# Altium PCB 20bit_40MS_ADC_DIOT_iso.PcbDoc (part 3 of 3)
Units mm, origin at the board's own origin, x right, y up, seen from the top; angles counter-clockwise.
Board outline 222.37 x 100 mm, 2 copper layers (Top Layer, Bottom Layer); 563 components, 368 nets, 2039 pads, 82 vias.
Unrouted connection lines stored in the file: 1435.
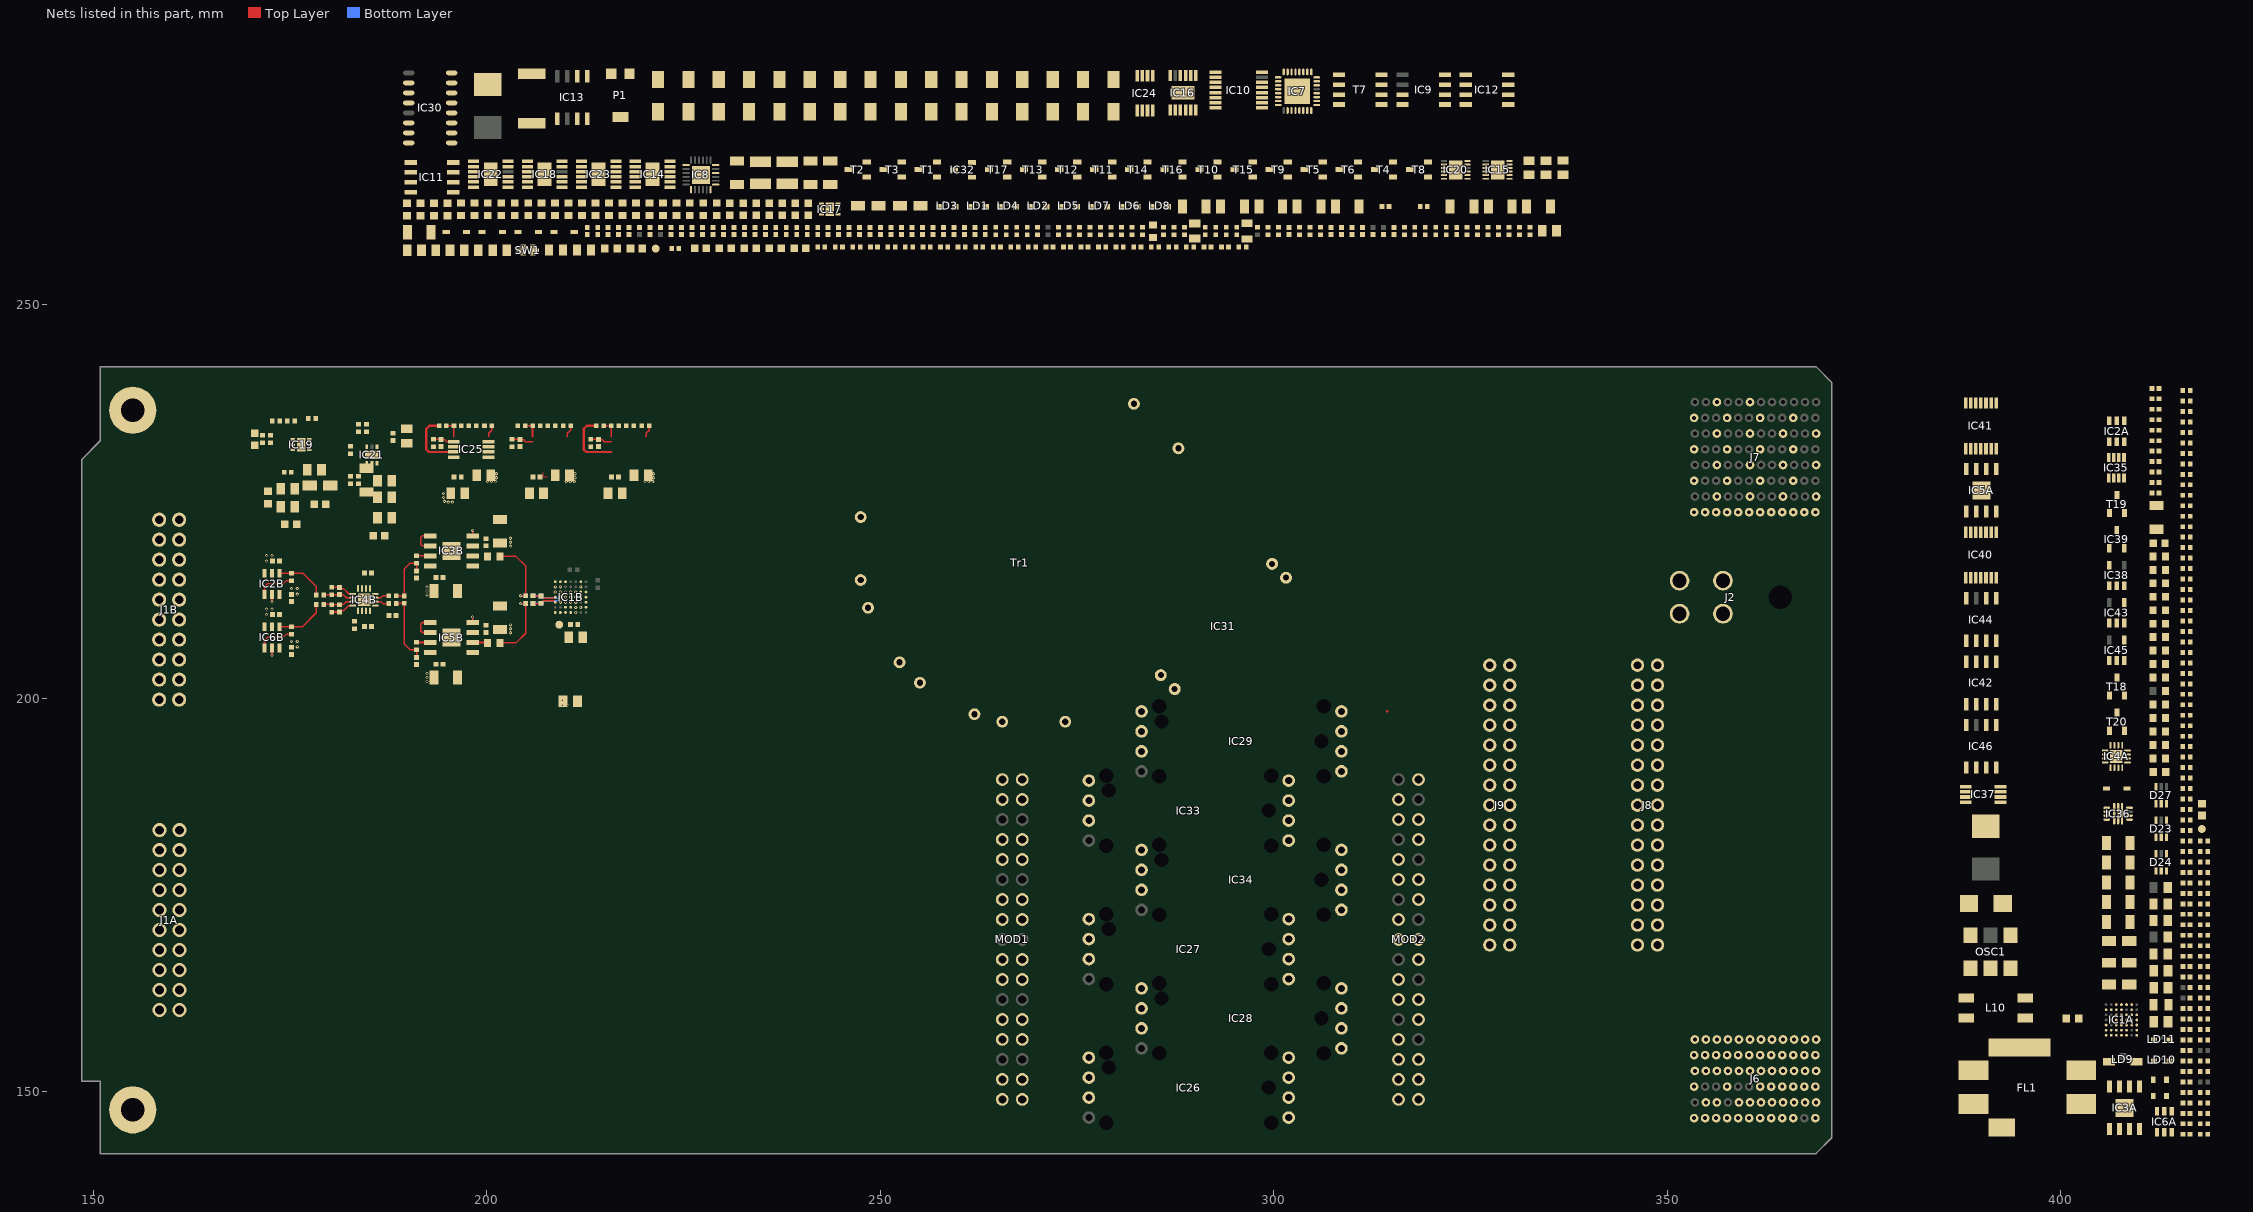
[diagram p3: the nets of this part, all layers, seen from the top]

## Via types
v1: diameter 0.4, hole 0.2, Top Layer to Bottom Layer, tented both sides, 82 vias

## Nets (pads, with @x,y where several pads share a name; then routed paths per layer and width w, separated by ;. In a path a pad name is that pad's centre, name@x,y a point inside that pad or via, vN(x,y) a via of type N, cw(c..) or ccw(c..) an arc to the next point about the centre after c; other vN are vias at no path point) (continued)
ADC_AUXINA_N: C4A.1 IC1A.E2 R4A.2
ADC_AUXINA_P: C4A.2 IC1A.D2 R1A.2
ADC_AUXINB_N: C4B.1 IC1B.E2 R4B.2 | length 3.7
  Bottom Layer w0.2: R4B.2@205.87,212 205.92,212.05 C4B.1@206.9,212.05 207.187,212.338 209.133,212.338 209.296,212.175 v1(209.35,212.175)
ADC_AUXINB_P: C4B.2 IC1B.D2 R1B.2 | length 3.7
  Bottom Layer w0.2: R1B.2@205.87,213 206.85,213 C4B.2@206.9,212.95 207.187,212.663 209.133,212.663 209.296,212.825 v1(209.35,212.825)
ADC_CSnA: IC1A.G1 IC10.10
ADC_CSnB: IC1B.G1 IC10.11
ADC_DAA_N: IC1A.D7 MOD1.15
ADC_DAA_P: IC1A.C7 MOD1.14
ADC_DAB_N: IC1B.D7 MOD1.3
ADC_DAB_P: IC1B.C7 MOD1.2
ADC_DBA_N: IC1A.D6 MOD1.21
ADC_DBA_P: IC1A.C6 MOD1.20
ADC_DBB_N: IC1B.D6 MOD1.9
ADC_DBB_P: IC1B.C6 MOD1.8
ADC_INA_N: C3A.1 IC1A.E1 R3A.2
ADC_INA_P: C3A.2 IC1A.D1 R2A.2
ADC_INB_N: C3B.1 IC1B.E1 R3B.2 | length 3
  Top Layer w0.2: R3B.2@205.87,212 206.85,212 C3B.1@206.9,212.05 207.187,212.338 208.508,212.338 208.67,212.175 IC1B.E1@208.7,212.175
ADC_INB_P: C3B.2 IC1B.D1 R2B.2 | length 3
  Top Layer w0.2: R2B.2@205.87,213 205.92,212.95 C3B.2@206.9,212.95 207.187,212.663 208.508,212.663 208.67,212.825 IC1B.D1@208.7,212.825
ADC_SCLKA: IC1A.E7 IC1B.E7 IC7.1 IC8.19 IC33.8 IC35.7 J1A.4 J1B.4
ADC_SDIA: IC1A.F7 IC1B.F7 IC7.2 IC8.24 IC28.8 IC35.6 J1A.6 J1B.6
ADCINA_N: R3A.1 R4A.1 R16A.2
ADCINA_P: R1A.1 R2A.1 R8A.2
ADCINB_N: R3B.1 R4B.1 R16B.2 | length 8.8
  Top Layer w0.2: R16B.2@201.671,207 203.7,207 204.93,208.23 R3B.1@204.93,212 v1(204.3,212)
  Bottom Layer w0.2: v1(204.3,212) R4B.1@204.93,212
ADCINB_P: R1B.1 R2B.1 R8B.2 | length 8.8
  Top Layer w0.2: R8B.2@201.671,218 203.7,218 204.93,216.77 R2B.1@204.93,213 v1(204.3,213)
  Bottom Layer w0.2: v1(204.3,213) R1B.1@204.93,213
ADF4350_CPOUT: C30.2 IC7.7 R21.1
ADF4350_EN: IC7.4 R20.1
ADF4350_MUXOUT: B2.1 IC7.30
ADF4350_OUTA_N: C27.2 IC7.13 L4.1
ADF4350_OUTA_P: C26.2 IC7.12 L2.1
ADF4350_OUTB_N: C29.2 IC7.15
ADF4350_OUTB_P: C28.2 IC7.14 L5.1 L6.1
ADF4350_REFIN: IC7.29 OSC1.4
ADF4350_RSET: IC7.22 R23.2
ADF4350_TEMP: C54.2 C55.2 IC7.19
ADF4350_VCOM: C50.2 C51.2 IC7.23
ADF4350_VREF: C52.2 C53.2 IC7.24
ADF4350_VTUNE: C45.2 C46.2 IC7.20 R21.2 R22.2
AFE_EN: IC2A.5 IC2B.5 IC3A.8 IC3B.8 IC4A.12 IC4B.12 IC5A.8 IC5B.8 IC6A.5 IC6B.5 IC14.4 IC15.3 IC19.4 IC21.4 IC23.5 IC24.1 IC25.1 J1A.10 J1B.10 R55.1 T4.1 | length 3.3
  Top Layer w0.2: v1(172.7,205.4) IC6B.5@172.7,206.35 ; v1(172.7,212.2) IC2B.5@172.7,213.15 ; IC5B.8@198.2,209.597 v1(198.2,210.3) ; IC3B.8@198.2,220.597 v1(198.2,221.3)
AFE_INA_N: IC6A.3 J1A.16
AFE_INA_P: IC2A.3 J1A.14
AFE_INB_N: IC6B.3 J1B.16
AFE_INB_P: IC2B.3 J1B.14
BGA0: D24.3 J6.C3 R130.2
BGA1: D24.1 J6.F3 R131.2
BGA2: D24.6 J6.I3 R136.2
BGA3: J6.L3
BP_I2C.SCL: D23.3 J6.B2 R187.1
BP_I2C.SDA: D23.1 J6.C2 R186.1
BP_IO.LVDS_N0: J6.E3 R161.1
BP_IO.LVDS_N1: J6.B3 R162.1
BP_IO.LVDS_N2: J6.C4 R163.1
BP_IO.LVDS_N3: J6.L4 R164.1
BP_IO.LVDS_N4: J6.I4 R167.1
BP_IO.LVDS_N5: J6.K5 R168.1
BP_IO.LVDS_N6: J6.H5 R169.1
BP_IO.LVDS_N7: J6.F6 R170.1
BP_IO.LVDS_N8: J6.C6 R171.1
BP_IO.LVDS_N9: J6.L6 R172.1
BP_IO.LVDS_N10: J6.I6 R173.1
BP_IO.LVDS_N11: J7.E1 R174.1
BP_IO.LVDS_N12: J7.B1 R175.1
BP_IO.LVDS_N13: J7.K1 R176.1
BP_IO.LVDS_N14: J7.H1 R177.1
BP_IO.LVDS_N15: J6.F2 R144.2
BP_IO.LVDS_P0: J6.D3 R145.1
BP_IO.LVDS_P1: J6.A3 R146.1
BP_IO.LVDS_P2: J6.B4 R147.1
BP_IO.LVDS_P3: J6.K4 R148.1
BP_IO.LVDS_P4: J6.H4 R149.1
BP_IO.LVDS_P5: J6.J5 R150.1
BP_IO.LVDS_P6: J6.G5 R151.1
BP_IO.LVDS_P7: J6.E6 R152.1
BP_IO.LVDS_P8: J6.B6 R188.1
BP_IO.LVDS_P9: J6.K6 R189.1
BP_IO.LVDS_P10: J6.H6 R190.1
BP_IO.LVDS_P11: J7.D1 R156.1
BP_IO.LVDS_P12: J7.A1 R157.1
BP_IO.LVDS_P13: J7.J1 R158.1
BP_IO.LVDS_P14: J7.G1 R159.1
BP_IO.LVDS_P15: J6.E2 R143.2
BP_MGT_Rx_N: J6.E5
BP_MGT_Rx_P: J6.D5
BP_MGT_Tx_N: J6.B5
BP_MGT_Tx_P: J6.A5
CSn_0: IC10.1 IC27.8
CSn_1: IC10.2 IC29.8
CSn_2: IC10.3 IC34.8
CSn_AD4350: IC7.3 IC10.12
CSn_AD9508: IC8.1 IC10.13
CSn_ADC_CH_A: IC10.15 J1B.8
CSn_ADC_CH_B: IC10.14 J1A.8
CSn_DAC: IC10.9 IC35.5
DIOT_CLK_N: C27.1 MOD1.27
DIOT_CLK_P: C26.1 MOD1.26
DIOT_CSn_0: IC12.7 R82.2
DIOT_CSn_1: IC12.6 R90.2 | length 8
  Top Layer w0.3: R90.2@213.93,234.6 212.7,234.6 212.3,234.2 212.3,231.6 212.625,231.275 215.8,231.275
DIOT_CSn_2: IC13.7 R98.2
DIOT_SPI_CLK: IC11.7 R97.2
DIOT_SPI_MISO: IC9.2 IC26.8
DIOT_SPI_MOSI: IC11.6 R89.2
EEM0_I2C.SCL: D27.1 IC37.2 IC40.1 IC40.8 IC43.1 IC44.6 J8.27
EEM0_I2C.SDA: D27.3 IC37.1 IC40.4 IC40.11 IC43.3 IC44.5 J8.26
EEM_IO.LVDS_N0: J8.3 MOD2.29 R161.2
EEM_IO.LVDS_N1: J8.6 MOD2.5 R162.2
EEM_IO.LVDS_N2: J8.9 MOD2.11 R163.2
EEM_IO.LVDS_N3: J8.12 MOD2.17 R164.2
EEM_IO.LVDS_N4: J8.15 MOD2.23 R167.2
EEM_IO.LVDS_N5: IC9.7 J8.18 R168.2
EEM_IO.LVDS_N6: IC11.1 J8.21 R25.2 R169.2
EEM_IO.LVDS_N7: IC11.4 J8.24 R26.1 R170.2
EEM_IO.LVDS_N8: IC12.1 J9.3 R27.2 R171.2
EEM_IO.LVDS_N9: IC12.4 J9.6 R28.1 R172.2
EEM_IO.LVDS_N10: IC13.1 J9.9 R29.2 R173.2
EEM_IO.LVDS_N11: J9.12 R174.2
EEM_IO.LVDS_N12: J9.15 R175.2
EEM_IO.LVDS_N13: J9.18 R176.2
EEM_IO.LVDS_N14: J9.21 R177.2
EEM_IO.LVDS_N15: J9.24 R144.1
EEM_IO.LVDS_P0: J8.2 MOD2.30 R145.2
EEM_IO.LVDS_P1: J8.5 MOD2.6 R146.2
EEM_IO.LVDS_P2: J8.8 MOD2.12 R147.2
EEM_IO.LVDS_P3: J8.11 MOD2.18 R148.2
EEM_IO.LVDS_P4: J8.14 MOD2.24 R149.2
EEM_IO.LVDS_P5: IC9.8 J8.17 R150.2
EEM_IO.LVDS_P6: IC11.2 J8.20 R25.1 R151.2
EEM_IO.LVDS_P7: IC11.3 J8.23 R26.2 R152.2
EEM_IO.LVDS_P8: IC12.2 J9.2 R27.1 R188.2
EEM_IO.LVDS_P9: IC12.3 J9.5 R28.2 R189.2
EEM_IO.LVDS_P10: IC13.2 J9.8 R29.1 R190.2
EEM_IO.LVDS_P11: J9.11 R156.2
EEM_IO.LVDS_P12: J9.14 R157.2
EEM_IO.LVDS_P13: J9.17 R158.2
EEM_IO.LVDS_P14: J9.20 R159.2
EEM_IO.LVDS_P15: J9.23 R143.1
GA0: IC41.6 R130.1 R180.2
GA1: IC41.12 R131.1 R178.2
GA2: IC41.13 R136.1 R165.2
GND: C2.2 C5A.1 C5B.1 C6A.1 C6B.1 C7A.1 C7B.1 C8A.1 C8B.1 C10A.1 C10B.1 C11A.1 C11B.1 C12A.1 C12B.1 C13A.1 C13B.1 C14A.1 C14B.1 C16A.1 C16B.1 C17A.1 C17B.1 C18A.1 C18B.1 C19A.1 C19B.1 C21A.1 C21B.1 C22A.1 C22B.1 C23A.1 C23B.1 C24A.1 C24B.1 C25A.1 C25B.1 C30.1 C31.1 C32.1 C33.1 C34.1 C35.1 C36.2 C37.1 C38.1 C39.1 C40.1 C41.1 C42.1 C43.1 C44.1 C45.1 C46.1 C47.1 C48.1 C49.1 C50.1 C51.1 C52.1 C53.1 C54.1 C55.1 C58.1 C61.1 C62.1 C63.1 C64.1 C65.1 C66.1 C67.1 C68.1 C69.1 C70.1 C71.1 C72.1 C73.2 C74.2 C75.1 C76.2 C77.1 C78.1 C79.1 C80.1 C81.1 C82.1 C83.1 C84.1 C85.1 C86.1 C87.1 C88.1 C89.1 C90.2 C91.2 C92.2 C93.2 C94.2 C95.2 C96.2 C97.1 C98.1 C99.1 C100.1 C101.1 C102.1 C103.1 C104.1 C105.1 C106.1 C107.1 C108.1 C109.1 C110.1 C111.1 C112.1 C113.1 C114.1 C115.1 C116.1 C117.1 C118.1 C121.1 C122.1 C123.1 C124.1 C125.1 C126.1 C127.1 C128.1 C129.1 C133.1 C134.1 C147.1 C148.1 C149.1 C150.1 C151.1 C152.1 C153.1 C154.1 C155.1 C156.1 C157.1 C175.2 C176.1 C177.1 C178.1 D5.2 D6.2 D11.2 D12.2 D15.1 D16.1 D19.1 D20.1 IC1A.B1 IC1A.B2 IC1A.B6 IC1A.C1 IC1A.C2 IC1A.C3 IC1A.C4 IC1A.C5 IC1A.D3 IC1A.D4 IC1A.D5 IC1A.E3 IC1A.E4 IC1A.E5 IC1A.F5 IC1A.F6 IC1A.G5 IC1B.B1 IC1B.B2 IC1B.B6 IC1B.C1 IC1B.C2 IC1B.C3 IC1B.C4 IC1B.C5 IC1B.D3 IC1B.D4 IC1B.D5 IC1B.E3 IC1B.E4 IC1B.E5 IC1B.F5 IC1B.F6 IC1B.G5 IC3A.9 IC3B.9 IC4A.13 IC4A.16 IC4B.13 IC4B.16 IC5A.9 IC5B.9 IC7.8 IC7.9 IC7.11 IC7.18 IC7.21 IC7.27 IC7.31 IC7.33 IC8.25 IC10.4 IC10.5 IC10.8 IC14.9 IC14.13 IC15.9 IC16.9 IC16.13 IC17.5 IC17.7 IC18.9 IC18.13 IC19.5 IC19.7 IC20.9 IC21.5 IC21.7 IC22.9 IC22.13 IC23.9 IC23.13 IC24.3 IC24.4 IC24.5 IC24.8 IC25.3 IC25.4 IC25.5 IC25.8 IC26.7 IC27.7 IC28.7 IC29.7 IC32.3 IC33.7 IC34.7 IC35.8 IC39.3 IC44.1 IC44.2 IC44.3 J1A.1 J1A.3 J1A.5 J1A.7 J1A.9 J1A.11 J1A.12 J1A.13 J1A.15 J1A.17 J1A.19 J1B.1 J1B.3 J1B.5 J1B.7 J1B.9 J1B.11 J1B.12 J1B.13 J1B.15 J1B.17 J1B.19 MOD1.1 MOD1.4 MOD1.7 MOD1.10 MOD1.13 MOD1.16 MOD1.19 MOD1.22 MOD1.25 MOD1.28 MOD1.31 MOD1.32 OSC1.3 R23.1 R31.2 R32.1 R33.1 R34.1 R35.1 R36.2 R39.1 R40.1 R41.1 R42.1 R44.1 R46.2 R47.1 R53.1 R58.1 R59.1 R60.1 R66.1 R72.1 R74.1 R75.1 R76.1 R78.1 R118.1 R126.1 T3.2 T4.2 T5.2 T6.2 T8.2 T9.2 T10.2 T11.2 | length 3
  Top Layer w0.1: C113.1@207.2,226.5 C113.1@207.2,226 C113.1@207.7,226 ; 207.2,228.6 207.2,228.1 207.7,228.1 ; C110.1@208.85,228.8 208.85,228.3 209.35,228.3
  other v1: 211.3,210.875 211.3,211.525 211.95,211.525 210,212.175 210.65,212.175 211.3,212.175 210,212.825 210.65,212.825 211.3,212.825 208.7,213.475 209.35,213.475 210,213.475 210.65,213.475 211.3,213.475 208.7,214.125 209.35,214.125 211.95,214.125
GND_DIOT: C1.1 C56.1 C57.1 C59.1 C60.1 C119.1 C120.1 C158.1 C159.1 C160.1 C161.1 C162.1 C163.2 C164.1 C165.1 C166.1 C167.1 C169.1 C170.1 C171.1 C173.1 C174.2 C179.1 C180.1 C181.1 C182.1 C219.1 C220.1 C298.1 C306.1 C307.1 D21.2 D23.2 D24.2 D27.2 FL1.4 IC9.1 IC9.3 IC11.5 IC12.5 IC13.5 IC26.2 IC26.3 IC26.4 IC27.2 IC27.3 IC27.4 IC28.2 IC28.3 IC28.4 IC29.2 IC29.3 IC29.4 IC33.2 IC33.3 IC33.4 IC34.2 IC34.3 IC34.4 IC36.3 IC36.4 IC36.11 IC37.4 IC37.5 IC37.6 IC38.2 IC40.7 IC41.3 IC41.4 IC41.5 IC41.7 IC42.1 IC43.2 IC44.4 IC45.2 IC46.1 IC46.2 IC46.3 IC46.4 J6.A2 J6.A4 J6.A6 J6.C1 J6.C5 J6.D2 J6.D4 J6.D6 J6.F1 J6.F5 J6.G2 J6.G4 J6.G6 J6.I1 J6.I5 J6.J2 J6.J4 J6.J6 J6.L1 J6.L5 J7.A2 J7.A4 J7.A6 J7.C1 J7.C3 J7.C5 J7.C7 J7.D2 J7.D4 J7.D6 J7.F1 J7.F3 J7.F5 J7.F7 J7.G2 J7.G4 J7.G6 J7.G8 J7.I1 J7.I3 J7.I5 J7.I7 J7.J2 J7.J4 J7.J6 J7.J8 J7.L1 J7.L3 J7.L5 J7.L7 J8.1 J8.4 J8.7 J8.10 J8.13 J8.16 J8.19 J8.22 J8.25 J9.1 J9.4 J9.7 J9.10 J9.13 J9.16 J9.19 J9.22 J9.25 L10.2 LD11.1 MOD2.1 MOD2.4 MOD2.7 MOD2.10 MOD2.13 MOD2.16 MOD2.19 MOD2.22 MOD2.25 MOD2.28 MOD2.31 MOD2.32 R83.1 R84.1 R85.1 R86.1 R91.1 R92.1 R93.1 R94.1 R99.1 R119.1 R120.1 R121.1 R129.1 R137.1 T1.2 T2.2 T18.2 T19.2 T20.2
GND_LLC: C130.2 C131.2 C135.2 C136.1 C141.2 C142.1 C143.1 C144.1 C168.1 D8.2 IC30.10 IC31.3 L10.3 P1.1 R105.1 R110.1 R111.1 R112.1 R113.1 SW1.1 | length 0
  Top Layer w0.3: 314.39,198.31 314.4,198.3
I2C_SCL1: D27.6 IC45.1 IC46.6 J9.27
I2C_SDA1: D24.4 IC45.3 IC46.5 J9.26
LNA_MISOA: IC8.4 J1A.2 J1B.2 R81.2
LT3045_P5V0: C77.2 C78.2 IC16.10 IC16.11 IC16.12 L7.1
LT3094_N5V0: C98.2 C99.2 IC20.10 IC20.11 IC20.12 L8.1
N5V0: C12A.2 C12B.2 C13A.2 C13B.2 C14A.2 C14B.2 C21A.2 C21B.2 C23A.2 C23B.2 C24A.2 C24B.2 C25A.2 C25B.2 C96.1 C100.2 IC2A.2 IC2B.2 IC3A.4 IC3A.5 IC3B.4 IC3B.5 IC4A.14 IC4A.15 IC4A.17 IC4B.14 IC4B.15 IC4B.17 IC5A.4 IC5A.5 IC5B.4 IC5B.5 IC6A.2 IC6B.2 L8.2 R45.2
  other v1: 192.4,202.1 192.4,202.6 192.4,203.1 172,210.6 172,211.3 172.7,211.3 192.4,213.1 192.4,213.6 192.4,214.1 172,217.4 172,218.1 172.7,218.1
N5V0_ILIM: IC20.6 R58.2
N5V0_SET: C108.2 IC20.8 R59.2 R60.2
N6V0: C92.1 C93.1 C102.2 C103.2 D13.2 D14.2 IC20.1 IC20.2 IC20.3 IC20.13
N15V0: C68.2 C69.2 IC15.10 IC15.11 IC15.12 J1A.18 J1B.18
N15V0_LNA_ILIM: IC15.6 R34.2
N15V0_LNA_PG: IC15.4 R70.1 T11.1
N15V0_LNA_SET: C70.2 IC15.8 R35.2
N18V0: C66.2 C67.2 C94.1 C95.1 D17.2 D18.2 IC15.1 IC15.2 IC15.5 IC15.13
NetB1A_1: B1A.1 IC1A.G2
NetB1B_1: B1B.1 IC1B.G2
NetC9A_1: C9A.1 IC4A.2 R7A.2 R10A.1
NetC9A_2: C9A.2 IC4A.1 R10A.2
NetC9B_1: C9B.1 IC4B.2 R7B.2 R10B.1 | length 3.9
  Top Layer w0.2: R7B.2@179.27,213.1 180.27,213.1 R10B.1@180.3,213.13 181.28,213.13 C9B.1@181.3,213.15 181.343,213.107 181.793,213.107 182.15,212.75 IC4B.2@182.975,212.75
NetC9B_2: C9B.2 IC4B.1 R10B.2 | length 3
  Top Layer w0.2: R10B.2@180.3,214.07 181.28,214.07 C9B.2@181.3,214.05 181.443,213.907 181.793,213.907 182.45,213.25 IC4B.1@182.975,213.25
NetC11A_2: C11A.2 C15A.2 R9A.1 R12A.2
NetC11B_2: C11B.2 C15B.2 R9B.1 R12B.2 | length 7.4
  Top Layer w0.2: R12B.2@188.47,213 188.9,213 188.95,212.95 C15B.2@189.5,212.95 189.5,216.4 190.23,217.13 R9B.1@191.071,217.13 C11B.2@191.071,216.15
NetC15A_1: C15A.1 C22A.2 R13A.2 R17A.1
NetC15B_1: C15B.1 C22B.2 R13B.2 R17B.1 | length 9.1
  Top Layer w0.2: R13B.2@188.47,212 188.9,212 188.95,212.05 C15B.1@189.5,212.05 189.5,206.86 190.23,206.13 R17B.1@191.071,206.13 C22B.2@191.071,205.15
NetC19A_2: C19A.2 IC4A.9
NetC19B_2: C19B.2 IC4B.9
NetC20A_1: C20A.1 IC4A.3 R15A.2 R18A.1
NetC20A_2: C20A.2 IC4A.4 R18A.2
NetC20B_1: C20B.1 IC4B.3 R15B.2 R18B.1 | length 3.9
  Top Layer w0.2: R15B.2@179.27,211.9 180.27,211.9 R18B.1@180.3,211.87 181.28,211.87 C20B.1@181.3,211.85 181.343,211.893 181.793,211.893 182.15,212.25 IC4B.3@182.975,212.25
NetC20B_2: C20B.2 IC4B.4 R18B.2 | length 3
  Top Layer w0.2: R18B.2@180.3,210.93 181.28,210.93 C20B.2@181.3,210.95 181.443,211.093 181.793,211.093 182.45,211.75 IC4B.4@182.975,211.75
NetC36_1: C36.1 C37.2 C38.2 IC8.6 IC8.13 L3.2 R30.1
NetC47_2: C47.2 R22.1
NetC82_2: C82.2 C154.2 IC35.3 OSC1.1 R123.1 R125.2 R126.2
NetC132_1: C132.1 IC30.14 T7.3 T7.7 T7.8 Tr1.1
NetC132_2: C132.2 IC30.16
NetC135_1: C135.1 C136.2 IC30.12 R101.1 R102.1
NetC137_1: C137.1 C140.2 Tr1.2
NetC137_2: C137.2 R104.1 R105.2 SW1.2 T7.1
NetC138_1: C138.1 R110.2
NetC138_2: C138.2 IC30.4 IC31.4 R106.2 R107.2 R108.2
NetC139_1: C139.1 R109.1
NetC139_2: C139.2 C140.1
NetC141_1: C141.1 IC30.1 R106.1
NetC142_2: C142.2 IC30.3
NetC143_2: C143.2 IC30.2 R112.2
NetC144_2: C144.2 D7.1 IC30.6 R104.2 R113.2
NetC145_1: C145.1 C146.1 IC32.2 R116.1 R118.2
NetC145_2: C145.2 R117.1
NetC166_2: C166.2 IC36.9
NetC172_1: C172.1 FL1.3 J2.1 J2.2
NetC172_2: C172.2 FL1.1 J2.3 J2.4
NetC179_2: C179.2 IC42.6 IC42.7 R183.2 T19.3
NetC181_2: C181.2 IC42.5
NetC182_2: C182.2 D26.1 R185.2
NetD1_1: D1.1 IC30.15 R100.1
NetD1_2: D1.2 R100.2 T7.4
NetD2_2: D2.2 D5.1 Tr1.3
NetD3_2: D3.2 D6.1 D10.2 D12.1 Tr1.6
NetD4_1: D4.1 IC30.11 R103.1
NetD4_2: D4.2 R103.2 T7.2
NetD7_2: D7.2 D8.1 R109.2
NetD9_2: D9.2 D11.1 Tr1.4 Tr1.5
NetD13_1: D13.1 D15.2 Tr1.7
NetD14_1: D14.1 D16.2 D18.1 D20.2 Tr1.10
NetD17_1: D17.1 D19.2 Tr1.8 Tr1.9
NetD23_4: D23.4 J6.H2 R133.2
NetD23_6: D23.6 J6.K2 R138.2
NetD25_2: D25.2 D26.2 IC42.2
NetIC2A_1: IC2A.1 R7A.1 R11A.2
NetIC2A_4: IC2A.4 R11A.1
NetIC2B_1: IC2B.1 R7B.1 R11B.2 | length 6.5
  Top Layer w0.2: IC2B.1@173.65,215.85 175.18,215.85 R11B.2@175.2,215.87 176.63,215.87 178.33,214.17 R7B.1@178.33,213.1
NetIC2B_4: IC2B.4 R11B.1 | length 4.8
  Top Layer w0.2: IC2B.4@171.75,213.15 171.75,214.15 172.1,214.5 174.1,214.5 174.53,214.93 R11B.1@175.2,214.93
NetIC3A_1: IC3A.1 IC3A.2
NetIC3A_3: IC3A.3 R9A.2
NetIC3A_6: IC3A.6 R8A.1
NetIC3B_1: IC3B.1 IC3B.2 | length 3.5
  Top Layer w0.2: IC3B.2@192.8,219.327 191.773,219.327 191.6,219.5 191.6,220.424 191.773,220.597 IC3B.1@192.8,220.597
NetIC3B_3: IC3B.3 R9B.2 | length 1.7
  Top Layer w0.2: R9B.2@191.071,218.07 191.084,218.057 IC3B.3@192.8,218.057
NetIC3B_6: IC3B.6 R8B.1
NetIC4A_5: IC4A.5 R14A.1
NetIC4A_10: IC4A.10 R13A.1
NetIC4A_11: IC4A.11 R12A.1
NetIC4B_5: IC4B.5 R14B.1
NetIC4B_10: IC4B.10 R13B.1 | length 1.8
  Top Layer w0.2: IC4B.10@185.825,212.25 186.55,212.25 186.8,212 R13B.1@187.53,212
NetIC4B_11: IC4B.11 R12B.1 | length 1.8
  Top Layer w0.2: IC4B.11@185.825,212.75 186.55,212.75 186.8,213 R12B.1@187.53,213
NetIC5A_1: IC5A.1 IC5A.2
NetIC5A_3: IC5A.3 R17A.2
NetIC5A_6: IC5A.6 R16A.1
NetIC5B_1: IC5B.1 IC5B.2 | length 3.5
  Top Layer w0.2: IC5B.2@192.8,208.327 191.773,208.327 191.6,208.5 191.6,209.424 191.773,209.597 IC5B.1@192.8,209.597
NetIC5B_3: IC5B.3 R17B.2 | length 1.7
  Top Layer w0.2: R17B.2@191.071,207.07 191.084,207.057 IC5B.3@192.8,207.057
NetIC5B_6: IC5B.6 R16B.1 | length 1.9
  Top Layer w0.2: IC5B.6@198.2,207.057 200.014,207.057 R16B.1@200.071,207
NetIC6A_1: IC6A.1 R15A.1 R19A.2
NetIC6A_4: IC6A.4 R19A.1
NetIC6B_1: IC6B.1 R15B.1 R19B.2 | length 6.5
  Top Layer w0.2: IC6B.1@173.65,209.05 175.18,209.05 R19B.2@175.2,209.07 176.57,209.07 178.33,210.83 R15B.1@178.33,211.9
NetIC6B_4: IC6B.4 R19B.1 | length 4.8
  Top Layer w0.2: IC6B.4@171.75,206.35 171.75,207.35 172.1,207.7 174.1,207.7 174.53,208.13 R19B.1@175.2,208.13
NetIC20_5: IC20.5 R45.1 R46.1
NetIC26_1: IC26.1 R79.1 T12.3
NetIC27_1: IC27.1 R80.1 T13.3
NetIC28_1: IC28.1 R87.1 T14.3
NetIC29_1: IC29.1 R88.1 T15.3
NetIC30_5: IC30.5 R107.1
NetIC30_7: IC30.7 R102.2
NetIC30_8: IC30.8 R111.2
NetIC31_1: IC31.1 R114.2 R115.2
NetIC31_2: IC31.2 IC32.1 R115.1 R117.2
NetIC33_1: IC33.1 R95.1 T16.3
NetIC34_1: IC34.1 R96.1 T17.3
NetIC35_4: IC35.4 R125.1
NetIC36_2: IC36.2 L1.1
NetIC36_5: IC36.5 R127.1 R129.2
NetIC36_10: IC36.10 R128.2
NetIC37_3: IC37.3 LD9.1 R135.1
NetIC37_7: IC37.7 R137.2
NetIC41_1: IC41.1 IC41.11 R37.1 R160.1 R166.1
NetIC41_8: IC41.8 R179.1 R183.1
NetIC41_9: IC41.9 IC41.10 R37.2 R166.2 R179.2
NetIC42_4: IC42.4 R181.2
NetLD1_1: LD1.1 T3.3
NetLD1_2: LD1.2 R49.1
NetLD2_1: LD2.1 T4.3
NetLD2_2: LD2.2 R50.1
NetLD3_1: LD3.1 T5.3
NetLD3_2: LD3.2 R51.1
NetLD4_1: LD4.1 T6.3
NetLD4_2: LD4.2 R52.1
NetLD5_1: LD5.1 T8.3
NetLD5_2: LD5.2 R61.1
NetLD6_1: LD6.1 T9.3
NetLD6_2: LD6.2 R62.1
NetLD7_1: LD7.1 T10.3
NetLD7_2: LD7.2 R63.1
NetLD8_1: LD8.1 T11.3
NetLD8_2: LD8.2 R64.1
NetLD9_2: LD9.2 R132.1
NetLD10_1: LD10.1 T18.3
NetLD10_2: LD10.2 R139.1
NetLD11_2: LD11.2 R141.1
NetOSC1_2: OSC1.2 R124.2
NetP1_2: P1.2 P1.3 R108.1
NetR48_1: R48.1 R53.2
NetR73_1: R73.1 R75.2
NetR77_1: R77.1 R78.2
NetR81_1: R81.1 R83.2 T12.1
NetR82_1: R82.1 R86.2 T13.1
NetR84_2: R84.2 T12.2
NetR85_2: R85.2 T13.2
NetR89_1: R89.1 R92.2 T14.1
NetR90_1: R90.1 R94.2 T15.1 | length 2.3
  Top Layer w0.2: R90.1@214.87,234.6 R94.2@215.83,234.6 215.8,234.57 215.8,233.225
NetR91_2: R91.2 T14.2
NetR93_2: R93.2 T15.2
NetR97_1: R97.1 R119.2 T16.1
NetR98_1: R98.1 R121.2 T17.1
NetR99_2: R99.2 T16.2
NetR120_2: R120.2 T17.2
NetR153_1: R153.1 R154.2
NetR154_1: R154.1 T2.3
NetR182_1: R182.1 T1.3
NetR184_1: R184.1 T19.1 T20.3
P1V1_IO: C106.2 C107.2 IC1A.A6 IC1B.A6 IC22.10 IC22.11 IC22.12 R65.2
P1V1_IO_ILIM: IC22.6 R72.2 | length 1.6
  Top Layer w0.2: 220.2,233.225 220.233,233.258 220.233,233.633 220.64,234.04 220.64,234.6
P1V1_IO_PGFB: IC22.7 R65.1 R73.2
P1V1_IO_SET: C111.2 IC22.8 R66.2 | length 2.7
  Top Layer w0.2: 213.2,232.87 214.18,232.87 214.2,232.85 214.243,232.807 214.693,232.807 214.917,232.583 215.792,232.583 215.8,232.575
P1V1_PG: IC18.5 IC22.5 IC23.4 R54.1 T3.1
P1V1_VDD: C85.2 C86.2 IC1A.A1 IC1A.A2 IC1A.A3 IC1B.A1 IC1B.A2 IC1B.A3 IC18.10 IC18.11 IC18.12 R43.2
P1V1_VDD_ILIM: IC18.6 R47.2
P1V1_VDD_PGFB: IC18.7 R43.1 R48.2 | length 2.3
  Top Layer w0.2: 204.87,234.6 205.83,234.6 205.8,234.57 205.8,233.225
P1V1_VDD_SET: C89.2 IC18.8 R44.2 | length 2.7
  Top Layer w0.2: 203.2,232.87 204.18,232.87 204.2,232.85 204.243,232.807 204.693,232.807 204.917,232.583 205.792,232.583 205.8,232.575
P2V5_VREF: C155.2 C178.2 IC35.2 IC39.1 IC39.2 R142.1
P3V0_REFA: C5A.2 C116.2 IC1A.F4 IC1A.G4 IC4A.8 IC25.6 IC25.7
  other v1: 209.6,199.1 210.2,199.1 209.6,199.7
P3V0_REFB: C5B.2 C113.2 IC1B.F4 IC1B.G4 IC4B.8 IC24.6 IC24.7
P3V3: C119.2 C120.2 C122.2 C123.2 C125.2 C126.2 C129.2 C133.2 C134.2 C147.2 C150.2 C151.2 C152.2 C153.2 C162.2 C163.1 C298.2 IC40.14 L9.2 MOD2.33 MOD2.34 R79.2 R80.2 R87.2 R88.2 R95.2 R96.2 R139.2 R140.2 | length 1.6
  Top Layer w0.2: 210.2,233.225 210.233,233.258 210.233,233.633 210.64,234.04 R87.2@210.64,234.6
P3V3_ADC: C109.2 C110.2 IC1A.F3 IC1A.G3 IC1B.F3 IC1B.G3 IC23.10 IC23.11 IC23.12 R71.2 | length 8
  Top Layer w0.3: 193.93,234.6 192.7,234.6 192.3,234.2 192.3,231.6 192.625,231.275 195.8,231.275
  other v1: 195.1,224.9 195.6,224.9 194.6,225 194.5,225.5 194.5,226
P3V3_ADC_ILIM: IC23.6 R76.2 | length 1.6
  Top Layer w0.2: 200.2,233.225 200.233,233.258 200.233,233.633 200.64,234.04 200.64,234.6
P3V3_ADC_PGFB: IC23.7 R71.1 R77.2 | length 2.3
  Top Layer w0.2: 194.87,234.6 195.83,234.6 195.8,234.57 195.8,233.225
P3V3_ADC_SET: C114.2 IC23.8 R74.2 | length 2.7
  Top Layer w0.2: 193.2,232.87 194.18,232.87 194.2,232.85 194.243,232.807 194.693,232.807 194.917,232.583 195.792,232.583 195.8,232.575
P3V3_CLK: C31.2 C32.2 C33.2 C34.2 C35.2 C39.2 C42.2 C43.2 C44.2 C101.2 C176.2 IC7.6 IC7.10 IC7.26 IC7.28 IC7.32 IC21.1 L3.1 L11.2 R20.2
P3V3_CLK_PG: IC21.3 R67.1 T8.1
P3V3_D: C58.2 C81.2 C117.2 C118.2 C121.2 C124.2 C127.2 C128.2 C148.2 C149.2 IC10.6 IC10.16 IC17.1 IC26.6 IC27.6 IC28.6 IC29.6 IC33.6 IC34.6 MOD1.33 MOD1.34 R49.2 R50.2 R51.2 R52.2 R54.2 R55.2 R56.2 R57.2 R61.2 R62.2 R63.2 R64.2 R67.2 R68.2 R69.2 R70.2
P3V3_D_PG: IC17.3 R56.1 T5.1
P3V3_DAC: C156.2 C157.2 C175.1 C177.2 IC35.1 L11.1 OSC1.6 R123.2 R124.1 R142.2
P3V3_DIOT: C1.2 C56.2 C57.2 C59.2 C60.2 C174.1 C180.2 D22.2 IC9.4 IC11.8 IC12.8 IC13.8 IC38.5 IC41.2 IC41.14 IC42.8 R155.2 R160.2 R165.1 R178.1 R180.1 R181.1 R184.2 R185.1
P3V3_MP: C169.2 C219.2 C306.2 D22.1 IC37.8 IC43.4 IC44.8 J8.30 R132.2 R134.2
P3V3_MP2: C220.2 C307.2 IC45.4 IC46.8 J9.30
P3V3_VCCO: C48.2 C49.2 C88.2 IC7.16 IC7.17 IC19.1 L2.2 L4.2 L5.2 L6.2
P3V3_VCCO_PG: IC19.3 R57.1 T6.1
P5V0: C6A.2 C6B.2 C7A.2 C7B.2 C8A.2 C8B.2 C10A.2 C10B.2 C16A.2 C16B.2 C17A.2 C17B.2 C18A.2 C18B.2 C76.1 C79.2 IC2A.6 IC2B.6 IC3A.7 IC3B.7 IC4A.6 IC4A.7 IC4B.6 IC4B.7 IC5A.7 IC5B.7 IC6A.6 IC6B.6 L7.2 R14A.2 R14B.2 R38.2 | length 1
  Top Layer w0.1: 210.35,228.8 210.35,228.3 210.85,228.3
  other v1: 175.9,206.5 175.2,207.2 175.9,207.2 203,208.3 203,208.8 203,209.3 175.9,213.2 175.2,213.9 175.9,213.9 203,219.3 203,219.8 203,220.3 200.1,227.5 200.6,227.5 201.1,227.5 210.1,227.5 210.6,227.5 211.1,227.5 220.1,227.5 220.6,227.5 221.1,227.5 201.2,228 211.2,228 221.2,228 201.2,228.5 211.2,228.5 221.2,228.5
P5V0_ILIM: IC16.6 R41.2
P5V0_PG: R68.1 T9.1
P5V0_PGFB: IC16.7 R38.1 R42.2
P5V0_SET: C84.2 IC16.8 R39.2 R40.2
P6V0: C71.2 C72.2 C75.2 C80.2 C83.2 C87.2 C90.1 C91.1 C97.2 C104.2 C105.2 C112.2 C115.2 D9.1 D10.1 IC16.1 IC16.2 IC16.3 IC16.4 IC17.4 IC17.6 IC18.1 IC18.2 IC18.3 IC19.6 IC21.6 IC22.1 IC22.2 IC22.3 IC23.1 IC23.2 IC23.3 IC24.2 IC25.2
P12V0_DIOT: C167.2 C173.2 IC38.1 IC38.3 J6.A1 J6.D1 J6.E1 J6.G1 J6.H1 J6.J1 J6.K1 L10.1 R257.1 R260.1 R261.1 R262.1
P12V0_EEM: C164.2 C165.2 C170.2 C171.2 D21.1 FL1.2 IC36.1 J8.28 J8.29 J9.28 J9.29 R128.1 R141.2 R257.2 R260.2 R261.2 R262.2
P12V0_LLC: C130.1 C131.1 C168.2 L10.4 R101.2 T7.5 T7.6
P15V0: C63.2 C64.2 IC14.10 IC14.11 IC14.12 J1A.20 J1B.20
P15V0_LNA_ILIM: IC14.6 R33.2
P15V0_LNA_PG: IC14.5 R69.1 T10.1
P15V0_LNA_SET: C65.2 IC14.8 R32.2
P18V0: C61.2 C62.2 C73.1 C74.1 C146.2 D2.1 D3.1 IC14.1 IC14.2 IC14.3 IC14.7 R114.1 R116.2
PE_CLK.CLK_N: J6.F4
PE_CLK.CLK_P: J6.E4
PGOOD: IC36.7 R140.1 R155.1 T2.1 T18.1
PSU_EN: IC36.8 R134.1 R135.2 R182.2
RST: IC42.3 T1.1
RSTn: D25.1 R133.1 T20.1
SERVMOD_3V3: IC40.5 IC40.6 IC40.12 IC40.13 R138.1 R153.2
STRIP1: C2.1 M1.1 M2.1 R31.1 R122.2
STRIP2: R36.1
STRIP3: R122.1
Switch_I2C.SCL: IC40.2 IC40.9 R187.2
Switch_I2C.SDA: IC40.3 IC40.10 R186.2
pads on no net: D23.5 D24.5 D27.4 D27.5 IC1A.B3 IC1A.B4 IC1A.B5 IC1A.E6 IC1A.F1 IC1A.F2 IC1A.G6 IC1A.G7 IC1B.B3 IC1B.B4 IC1B.B5 IC1B.E6 IC1B.F1 IC1B.F2 IC1B.G6 IC1B.G7 IC7.5 IC7.25 IC8.9 IC8.10 IC9.5 IC9.6 IC10.7 IC13.3 IC13.4 IC13.6 IC15.7 IC17.2 IC19.2 IC20.7 IC21.2 IC26.5 IC26.9 IC26.10 IC26.11 IC26.12 IC26.13 IC26.14 IC27.5 IC27.9 IC27.10 IC27.11 IC27.12 IC27.13 IC27.14 IC28.5 IC28.9 IC28.10 IC28.11 IC28.12 IC28.13 IC28.14 IC29.5 IC29.9 IC29.10 IC29.11 IC29.12 IC29.13 IC29.14 IC30.9 IC30.13 IC33.5 IC33.9 IC33.10 IC33.11 IC33.12 IC33.13 IC33.14 IC34.5 IC34.9 IC34.10 IC34.11 IC34.12 IC34.13 IC34.14 IC38.4 IC43.5 IC44.7 IC45.5 IC46.7 J2.5 J6.B1 J6.G3 J6.H3 J6.I2 J6.J3 J6.K3 J6.L2 J7.A3 J7.A5 J7.A7 J7.A8 J7.B2 J7.B3 J7.B4 J7.B5 J7.B6 J7.B7 J7.B8 J7.C2 J7.C4 J7.C6 J7.C8 J7.D3 J7.D5 J7.D7 J7.D8 J7.E2 J7.E3 J7.E4 J7.E5 J7.E6 J7.E7 J7.E8 J7.F2 J7.F4 J7.F6 J7.F8 J7.G3 J7.G5 J7.G7 J7.H2 J7.H3 J7.H4 J7.H5 J7.H6 J7.H7 J7.H8 J7.I2 J7.I4 J7.I6 J7.I8 J7.J3 J7.J5 J7.J7 J7.K2 J7.K3 J7.K4 J7.K5 J7.K6 J7.K7 J7.K8 J7.L2 J7.L4 J7.L6 J7.L8 LD1.3 LD2.3 LD3.3 LD4.3 LD5.3 LD6.3 LD7.3 LD8.3 LD9.3 LD10.3 LD11.3 MOD1.5 MOD1.6 MOD1.11 MOD1.12 MOD1.17 MOD1.18 MOD1.23 MOD1.24 MOD1.29 MOD1.30 MOD2.2 MOD2.3 MOD2.8 MOD2.9 MOD2.14 MOD2.15 MOD2.20 MOD2.21 MOD2.26 MOD2.27 OSC1.5
copper on no net: | length 10.9
  Top Layer w0.2: 196.77,234.6 197.73,234.6 ; 206.77,234.6 207.73,234.6 ; 216.77,234.6 217.73,234.6
  Top Layer w0.3: 203.93,234.6 202.7,234.6 202.3,234.2 202.3,231.6 202.625,231.275 205.8,231.275
  other v1: 205.1,224.9 205.6,224.9 215.1,224.9 215.6,224.9 204.6,225 214.6,225 204.5,225.5 214.5,225.5 204.5,226 214.5,226

## Polygon pours and split planes (outlines as drawn)
no net on Top Layer "NONET_L01_P015" (solid, pour order 15): 204.2,231.2 204.275,231.275 204.675,231.275 204.9,231.5 206.5,231.5 206.5,229.3 205.95,228.75 205.95,224.75 205.8,224.6 204.6,224.6 204.2,225
no net on Top Layer "NONET_L01_P018" (solid, pour order 18): 214.2,231.2 214.275,231.275 214.675,231.275 214.9,231.5 216.5,231.5 216.5,229.3 215.95,228.75 215.95,224.75 215.8,224.6 214.6,224.6 214.2,225
GND on Top Layer "GND_L01_P017" (solid, pour order 17): 218.875,233.275 219.5,233.9 219.7,233.9 219.99,234.19 219.99,234.91 218.38,234.91 218.38,234.29 218.1,234.01 218.1,234 217.9,233.8 217.7,233.8 217.125,233.225 217.125,233.07 217.125,232.525 216.75,232.15 215.1,232.15 214.99,232.26 212.93,232.26 212.89,232.22 212.89,231.64 215.04,231.64 215.1,231.7 216.5,231.7 216.8,231.7 217.125,231.375 217.125,229.3 216.65,228.825 216.65,225.275 219.075,225.275 219.325,225.525 219.325,228.775 218.875,229.225
P5V0 on Top Layer "P5V0_L01_P016" (solid, pour order 16): 219.875,227.325 220,227.2 221.2,227.2 221.5,227.5 221.5,231.3 221.3,231.5 219.5,231.5 219.5,229.15 219.875,228.775
GND on Top Layer "GND_L01_P014" (solid, pour order 14): 208.875,233.275 209.5,233.9 209.7,233.9 209.99,234.19 209.99,234.91 208.38,234.91 208.38,234.29 208.1,234.01 208.1,234 207.9,233.8 207.7,233.8 207.125,233.225 207.125,233.07 207.125,232.525 206.75,232.15 205.1,232.15 204.99,232.26 202.93,232.26 202.89,232.22 202.89,231.64 205.04,231.64 205.1,231.7 206.5,231.7 206.8,231.7 207.125,231.375 207.125,229.3 206.65,228.825 206.65,225.275 209.075,225.275 209.325,225.525 209.325,228.775 208.875,229.225
P5V0 on Top Layer "P5V0_L01_P013" (solid, pour order 13): 209.875,227.325 210,227.2 211.2,227.2 211.5,227.5 211.5,231.3 211.3,231.5 209.5,231.5 209.5,229.15 209.875,228.775
P3V3_ADC on Top Layer "P3V3_ADC_L01_P012" (solid, pour order 12): 194.2,231.2 194.275,231.275 194.675,231.275 194.9,231.5 196.5,231.5 196.5,229.3 195.95,228.75 195.95,224.75 195.8,224.6 194.6,224.6 194.2,225
GND on Top Layer "GND_L01_P011" (solid, pour order 11): 198.875,233.275 199.5,233.9 199.7,233.9 199.99,234.19 199.99,234.91 198.38,234.91 198.38,234.29 198.1,234.01 198.1,234 197.9,233.8 197.7,233.8 197.125,233.225 197.125,233.07 197.125,232.525 196.75,232.15 195.1,232.15 194.99,232.26 192.93,232.26 192.89,232.22 192.89,231.64 195.04,231.64 195.1,231.7 196.5,231.7 196.8,231.7 197.125,231.375 197.125,229.3 196.65,228.825 196.65,225.275 199.075,225.275 199.325,225.525 199.325,228.775 198.875,229.225
P5V0 on Top Layer "P5V0_L01_P010" (solid, pour order 10): 199.875,227.325 200,227.2 201.2,227.2 201.5,227.5 201.5,231.3 201.3,231.5 199.5,231.5 199.5,229.15 199.875,228.775
P5V0 on Top Layer "P5V0_L01_P009" (solid, pour order 9): 209.41,199.91 209.71,199.91 209.85,200.05 209.85,201.95 210.3,201.95 210.3,200.4 210.46,200.24 210.46,198.96 210.3,198.8 209.5,198.8 209.3,199 209.3,199.8
P3V0_REFB on Top Layer "P3V0_REFB_L01_P008" (solid, pour order 8): 209.85,204.85 209.85,206.95 209.825,206.975 209.825,208.5 210.34,209.015 210.34,210.44 210.475,210.575 210.475,211.525 210.825,211.525 210.825,210.575 211,210.4 210.96,210.36 210.96,209.635 210.975,209.62 210.975,206.375 210.95,206.35 210.95,204.85
N5V0 on Top Layer "N5V0_L01_P007" (solid, pour order 7): 192.308,201.692 192.1,201.9 192.1,203.3 192.5,203.7 192.5,204.4 192.375,204.525 192.025,204.875 192.025,206.087 193.575,206.087 193.575,204.866 193.831,204.61 193.831,203.536 193.875,203.492 193.875,201.692
P5V0 on Top Layer "P5V0_L01_P006" (solid, pour order 6): 200.771,220.171 200.771,220.275 200.875,220.275 202.475,220.275 202.8,220.6 203.2,220.6 203.3,220.5 203.3,219.2 203.2,219.1 202.596,219.1 202.571,219.125 200.625,219.125 200.527,219.027 197.425,219.027 197.425,219.627 199.528,219.627 199.561,219.66 200.26,219.66
P5V0 on Top Layer "P5V0_L01_P005" (solid, pour order 5): 173.375,207 174.5,207 175,207.5 176.1,207.5 176.3,207.3 176.3,206.3 176.14,206.14 174.54,206.14 174.3,205.9 173.375,205.9
P5V0 on Top Layer "P5V0_L01_P004" (solid, pour order 4): 173.375,213.7 174.5,213.7 175,214.2 176.1,214.2 176.3,214 176.3,213 176.14,212.84 174.54,212.84 174.3,212.6 173.375,212.6
N5V0 on Top Layer "N5V0_L01_P003" (solid, pour order 3): 172.975,215.3 172.975,216.4 173.06,216.485 173.06,218.24 172.8,218.5 172,218.5 171.7,218.2 171.7,217.1 171.9,216.9 172.3,216.9 172.425,216.775 172.425,215.3
N5V0 on Top Layer "N5V0_L01_P002" (solid, pour order 2): 192.308,212.692 192.1,212.9 192.1,214.3 192.5,214.7 192.5,215.4 192.375,215.525 192.025,215.875 192.025,217.087 193.575,217.087 193.575,215.866 193.831,215.61 193.831,214.536 193.875,214.492 193.875,212.692
N5V0 on Top Layer "N5V0_L01_P001" (solid, pour order 1): 172.975,208.5 172.975,209.6 173.06,209.685 173.06,211.44 172.8,211.7 172,211.7 171.7,211.4 171.7,210.3 171.9,210.1 172.3,210.1 172.425,209.975 172.425,208.5
P5V0 on Top Layer "P5V0_L01_P000" (solid, pour order 0): 200.771,209.171 200.771,209.275 200.875,209.275 202.475,209.275 202.8,209.6 203.2,209.6 203.3,209.5 203.3,208.2 203.2,208.1 202.596,208.1 202.571,208.125 200.625,208.125 200.527,208.027 197.425,208.027 197.425,208.627 199.528,208.627 199.561,208.66 200.26,208.66
GND on Bottom Layer "GND_L02_P019" (solid, pour order 19): 356.632,195.339 356.632,189.414 370.915,189.414 370.915,195.339

## Keep-outs
Keep-Out Layer:
  region: 356.913,190.663 370.351,190.663 370.351,193.563 356.913,193.563
  lines w0.2: 151.444,239.563 152.693,239.563 ; 156.644,239.563 319.269,239.563 ; 159.119,144.688 188.744,144.688 ; 190.144,144.688 219.444,144.688 ; 220.819,144.688 315.444,144.688 321.619,144.688 363.094,144.688

## Other copper
Top Layer:
  rectangle net GND: 357.113,190.386 370.6,193.866

## Silkscreen, mask and mechanical layers (free items; w line width, h text height)
Top Solder:
  region: 356.913,193.868 356.913,190.368 370.876,190.368 370.876,193.868
Bottom Solder:
  region: 356.913,193.868 356.913,190.368 370.876,190.368 370.876,193.868
Mechanical 1:
  the board outline again, w0.05

## Text inside footprints (layer, text, board x,y; h text height)
J2: Top Overlay "1" at 356.127,217.289 h1.2 r270; Mechanical 14 "1" at 356.127,217.289 h1.2 r270
J6: Top Overlay "6" at 348.865,156.263 h1 r90; Top Overlay "5" at 348.865,154.263 h1 r90; Top Overlay "4" at 348.865,152.263 h1 r90; Top Overlay "3" at 348.865,150.263 h1 r90; Top Overlay "2" at 348.865,148.263 h1 r90; Top Overlay "1" at 348.865,146.263 h1 r90; Top Overlay "L" at 353.915,144.413 h1 r90; Top Overlay "K" at 355.315,144.413 h1 r90; Top Overlay "J" at 356.715,144.413 h1 r90; Top Overlay "I" at 358.115,144.663 h1 r90; Top Overlay "H" at 359.515,144.413 h1 r90; Top Overlay "G" at 360.915,144.413 h1 r90; Top Overlay "F" at 362.315,144.413 h1 r90; Top Overlay "E" at 363.715,144.413 h1 r90; Top Overlay "D" at 365.115,144.413 h1 r90; Top Overlay "C" at 366.515,143.413 h1 r90; Top Overlay "B" at 367.915,143.413 h1 r90; Top Overlay "A" at 369.315,143.413 h1 r90; Drill Drawing "Diam. 0.5mm +/-0.05" at 369.565,160.613 h1 r180; Drill Drawing "PRESS-FIT TECHNOLOGY" at 369.565,159.113 h1 r180; Mechanical 14 "6" at 348.865,156.263 h1 r90; Mechanical 14 "5" at 348.865,154.263 h1 r90; Mechanical 14 "4" at 348.865,152.263 h1 r90; Mechanical 14 "3" at 348.865,150.263 h1 r90; Mechanical 14 "2" at 348.865,148.263 h1 r90; Mechanical 14 "1" at 348.865,146.263 h1 r90; Mechanical 14 "L" at 353.915,144.413 h1 r90; Mechanical 14 "K" at 355.315,144.413 h1 r90; Mechanical 14 "J" at 356.715,144.413 h1 r90; Mechanical 14 "I" at 358.115,144.663 h1 r90; Mechanical 14 "H" at 359.515,144.413 h1 r90; Mechanical 14 "G" at 360.915,144.413 h1 r90; Mechanical 14 "F" at 362.315,144.413 h1 r90; Mechanical 14 "E" at 363.715,144.413 h1 r90; Mechanical 14 "D" at 365.115,144.413 h1 r90; Mechanical 14 "C" at 366.515,143.413 h1 r90; Mechanical 14 "B" at 367.915,143.413 h1 r90; Mechanical 14 "A" at 369.315,143.413 h1 r90; Mechanical 8 "Edge of Daugher Card" at 371.665,148.388 h0.5 r90; Mechanical 8 "Top Surface of Mother Board" at 383.165,147.238 h0.5 r90
J7: Top Overlay "A" at 369.315,220.413 h1 r90; Top Overlay "B" at 367.915,220.413 h1 r90; Top Overlay "C" at 366.515,220.413 h1 r90; Top Overlay "D" at 365.115,221.413 h1 r90; Top Overlay "E" at 363.715,221.413 h1 r90; Top Overlay "F" at 362.315,221.413 h1 r90; Top Overlay "G" at 360.915,221.413 h1 r90; Top Overlay "H" at 359.515,221.413 h1 r90; Top Overlay "I" at 358.115,221.663 h1 r90; Top Overlay "J" at 356.715,221.413 h1 r90; Top Overlay "K" at 355.315,221.413 h1 r90; Top Overlay "L" at 353.915,221.413 h1 r90; Top Overlay "1" at 348.865,223.263 h1 r90; Top Overlay "2" at 348.865,225.263 h1 r90; Top Overlay "3" at 348.865,227.263 h1 r90; Top Overlay "4" at 348.865,229.263 h1 r90; Top Overlay "5" at 348.865,231.263 h1 r90; Top Overlay "6" at 348.865,233.263 h1 r90; Top Overlay "8" at 348.865,237.263 h1 r90; Top Overlay "7" at 348.865,235.263 h1 r90; Drill Drawing "PRESS-FIT TECHNOLOGY" at 369.565,240.113 h1 r180; Drill Drawing "Diam. 0.5mm +/-0.05" at 369.565,241.613 h1 r180; Mechanical 14 "A" at 369.315,220.413 h1 r90; Mechanical 14 "B" at 367.915,220.413 h1 r90; Mechanical 14 "C" at 366.515,220.413 h1 r90; Mechanical 14 "D" at 365.115,221.413 h1 r90; Mechanical 14 "E" at 363.715,221.413 h1 r90; Mechanical 14 "F" at 362.315,221.413 h1 r90; Mechanical 14 "G" at 360.915,221.413 h1 r90; Mechanical 14 "H" at 359.515,221.413 h1 r90; Mechanical 14 "I" at 358.115,221.663 h1 r90; Mechanical 14 "J" at 356.715,221.413 h1 r90; Mechanical 14 "K" at 355.315,221.413 h1 r90; Mechanical 14 "L" at 353.915,221.413 h1 r90; Mechanical 14 "1" at 348.865,223.263 h1 r90; Mechanical 14 "2" at 348.865,225.263 h1 r90; Mechanical 14 "3" at 348.865,227.263 h1 r90; Mechanical 14 "4" at 348.865,229.263 h1 r90; Mechanical 14 "5" at 348.865,231.263 h1 r90; Mechanical 14 "6" at 348.865,233.263 h1 r90; Mechanical 14 "8" at 348.865,237.263 h1 r90; Mechanical 14 "7" at 348.865,235.263 h1 r90; Mechanical 8 "Top Surface of Mother Board" at 383.165,226.238 h0.5 r90; Mechanical 8 "Edge of Daugher Card" at 371.665,227.388 h0.5 r90
J8: Top Overlay "30" at 350.156,169.248 h1.02 r270; Mechanical 14 "30" at 350.156,169.248 h1.02 r270
J9: Top Overlay "30" at 331.386,169.247 h1.02 r270; Mechanical 14 "30" at 331.386,169.247 h1.02 r270
LD9: Mechanical 8 "K" at 406.411,153.537 h0.5